# KiCad board PC110.kicad_pcb (continued)
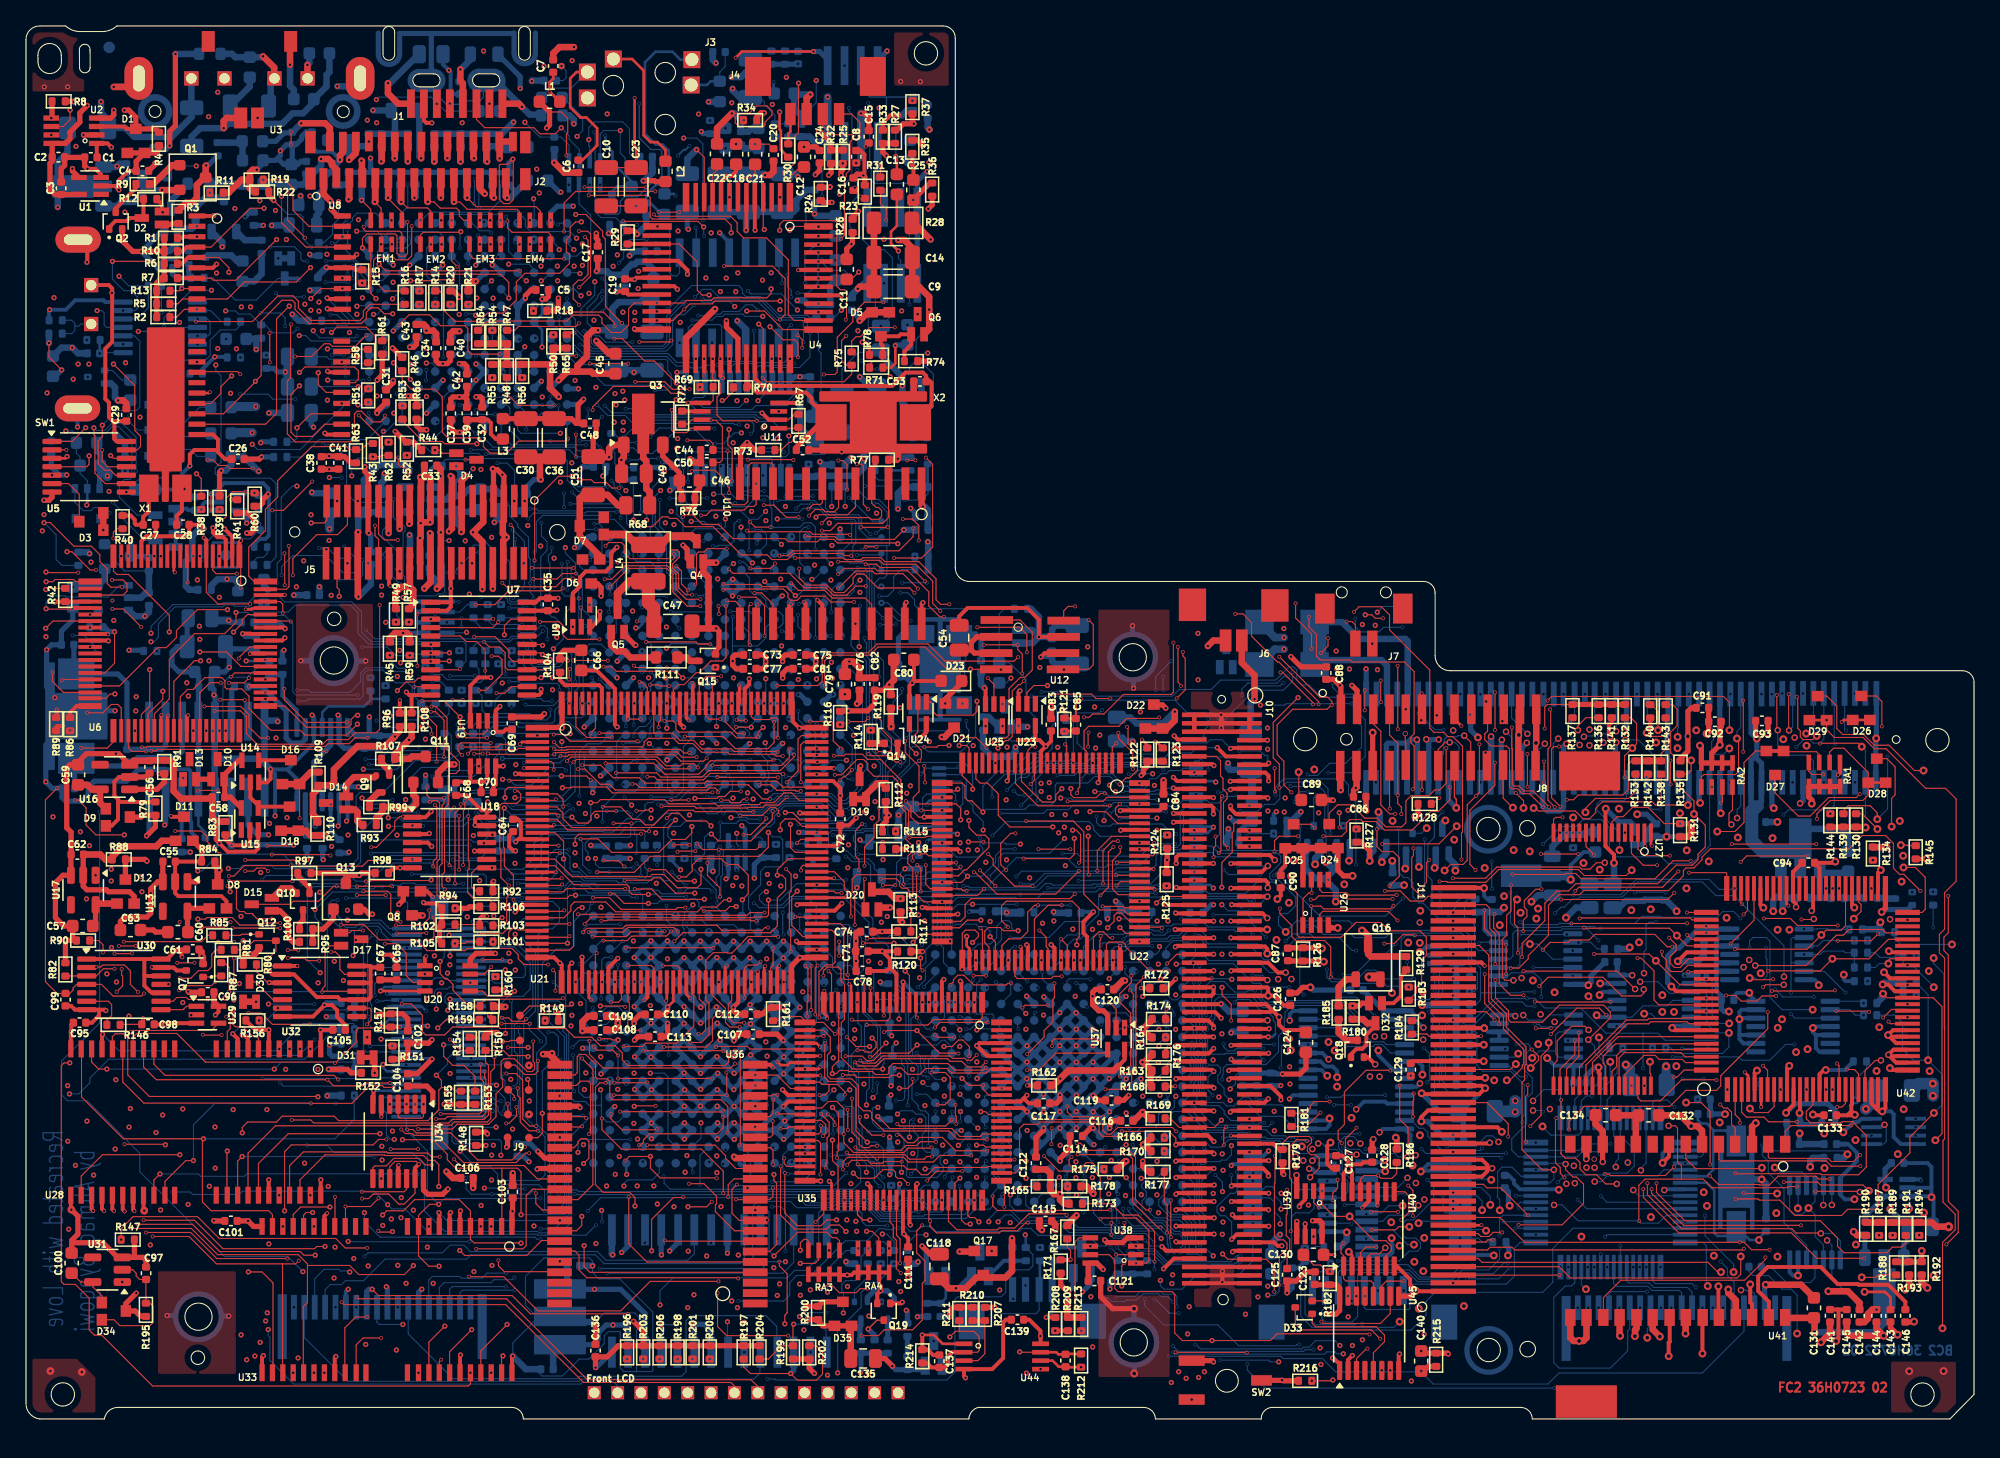
[diagram p0: board, top side]
## Nets (continued)
/PCMCIA/BCD7: J10.82 U74.H14
/PCMCIA/BCD8: J10.131 U74.B10
/PCMCIA/BCD9: J10.133 U74.A9
/PCMCIA/BCD10: J10.135 U74.D9
/PCMCIA/BCD11: J10.77 U74.K14
/PCMCIA/BCD12: J10.79 U74.J15
/PCMCIA/BCD13: J10.81 U74.H16
/PCMCIA/BCD14: J10.83 U74.H15
/PCMCIA/BCD15: J10.85 U74.G14
/PCMCIA/BCE1#: J10.84 U74.G16
/PCMCIA/BCE2#: J10.87 U74.F16
/PCMCIA/BCIORD#: J10.91 U74.E16
/PCMCIA/BCIOWR#: J10.93 U74.G13
/PCMCIA/BINPACK#: J10.123 R172.1 U74.B12
/PCMCIA/BOE#: J10.88 U74.F14
/PCMCIA/BRDY: J10.102 R166.2 U74.B16
/PCMCIA/BREG#: J10.125 U74.L15
/PCMCIA/BRESET: J10.119 U74.A13
/PCMCIA/BVPP: C273.1 J10.106 J10.107 U70.23
/PCMCIA/BWAIT: J10.121 R169.2 U74.C12
/PCMCIA/BWE#: J10.100 U74.F12
/PCMCIA/BWP: J10.136 R178.1 U74.C9
/Power/M38_COM0: U6.77 U43.14
/Power/M38_COM1: U6.76 U43.13
/Power/M38_COM2: U6.75 U43.12
/Power/M38_COM3: U6.74 U43.11
/Power/M38_P10_R413: Q42.3 R411.2 R413.1
/Power/M38_P11_R167: Q39.3 R167.1 R171.2
/Power/M38_P12_R407: Q41.3 R407.2 R408.2
/Power/M38_P13_R390: Q40.3 R385.1 R390.1
/Power/M38_SEG0: U6.70 U43.1
/Power/M38_SEG1: U6.69 U43.2
/Power/M38_SEG2: U6.68 U43.3
/Power/M38_SEG3: U6.67 U43.4
/Power/M38_SEG4: U6.66 U43.5
/Power/M38_SEG5: U6.65 U43.6
/Power/M38_SEG6: U6.64 U43.7
/Power/M38_SEG7: U6.63 U43.8
/Power/M38_SEG8: U6.62 U43.9
/Power/M38_SEG9: U6.61 U43.10
/Power/Touch_X+: J18.2 R207.2 R386.1
/Power/Touch_X-: J18.3 Q41.2
/Power/Touch_Y+: J18.1 R208.2 R388.1
/Power/Touch_Y-: J18.4 Q42.2
/Power/U32_R: Q12.3 R81.2 U32.1 U32.13
/Power/U54_Q: D11.2 J5.25 R235.2 U54.5
/VGA Controller/LCD_24: C174.1 EM4.1 J2.24
/VGA Controller/LCD_B0: C173.1 EM1.4 J2.8
/VGA Controller/LCD_B1: C183.1 EM1.3 J2.9
/VGA Controller/LCD_B2: C194.1 EM1.2 J2.10
/VGA Controller/LCD_B3: C181.1 EM1.1 J2.11
/VGA Controller/LCD_B4: C180.1 EM3.4 J2.17
/VGA Controller/LCD_G0: C182.1 EM3.3 J2.18
/VGA Controller/LCD_G1: C187.1 EM3.2 J2.19
/VGA Controller/LCD_G2: C186.1 EM3.1 J2.20
/VGA Controller/LCD_G3: C191.1 EM2.4 J2.12
/VGA Controller/LCD_G4: C184.1 EM2.3 J2.13
/VGA Controller/LCD_R0: C185.1 EM2.2 J2.14
/VGA Controller/LCD_R1: C169.1 EM2.1 J2.15
/VGA Controller/LCD_R2: C196.1 EM4.4 J2.21
/VGA Controller/LCD_R3: C175.1 EM4.3 J2.22
/VGA Controller/LCD_R4: C178.1 EM4.2 J2.23
AEN: U21.114 U22.44 U35.6 U61.G16 U69.6 U74.K1
BIOS_SA17: U35.54 U59.40
Bowman1: U21.45 U61.N9
Bowman2: U21.140 U61.P9
Bowman3: R149.2 U61.R9
Bowman4: U21.52 U61.T9
Bowman5: R57.1 U7.3 U21.130 U61.T13
Bowman5_Buff: U7.22 U60.1
Bowman_Audio_Vol_Dn: U21.128 U48.7
Bowman_Audio_Vol_Up: U21.127 U48.2
Bowman_CLK: R340.2 U21.40
Bowman_ESS_DACK1#: R372.2 U21.122 U72.10
CF_CD1_Pluto: J11.2 R173.2 U35.27
CF_CD2_Pluto: J11.49 R161.1 U35.26
Chipset_2XCPU_CLK: R359.2 U61.R2
Chipset_32KHz: U21.51 U51.J2 U61.T10
Chipset_BIOS_CE#: U59.22 U61.G15
Chipset_CLK: R341.1 U61.R15
Chipset_CPU_CLK: R251.1 R252.1 R255.1 R257.2 U61.K1
Chipset_CPU_CLK_Sense: R253.2 U61.J1
Chipset_FDC_TC: U22.33 U61.G13
Chipset_SA16: U59.1 U61.B16 U74.J1
Chipset_Sound: R74.2 U61.T15
CMOS_BATT_Sense: J4.4 R41.2 U6.6
CPU_A2: U21.10 U51.L6 U61.N7 U76.A3
CPU_A3: U21.11 U51.M6 U61.T7 U76.D2
CPU_A4: U21.12 U51.J6 U61.R7 U76.D1
CPU_A5: U21.13 U51.N6 U61.P7 U76.E2
CPU_A6: U21.14 U51.M7 U61.N6 U76.F2
CPU_A7: U21.15 U51.N7 U61.T6 U76.F1
CPU_A8: U21.16 U51.J7 U61.R6 U76.G2
CPU_A9: U21.17 U51.N8 U61.P6 U76.G1
CPU_A10: U21.19 U51.M8 U61.M6 U76.H2
CPU_A11: U21.20 U51.J8 U61.T5 U76.H1
CPU_A12: U21.21 U51.L8 U61.R5 U76.J1
CPU_A13: U21.22 U51.N9 U61.P5 U76.K2
CPU_A14: U21.23 U51.M9 U61.T4 U76.K1
CPU_A15: U21.24 U51.K8 U61.R4 U76.L2
CPU_A16: U21.25 U51.N10 U61.N5 U76.L1
CPU_A17: U21.26 U51.L9 U61.P4 U76.M2
CPU_A18: U21.27 U51.M10 U61.T3 U76.N1
CPU_A19: U21.29 U51.N13 U61.R3 U76.P2
CPU_A20: U21.30 U51.M12 U61.P3 U76.P1
CPU_A20M#: J9.7 U61.H3 U76.B13
CPU_A21: U21.31 U51.K11 U61.T2 U76.T3
CPU_A22: U21.32 U51.M13 U61.R1 U76.R3
CPU_A23: U21.33 U51.L12 U61.N4 U76.P3
CPU_A24: U21.34 U61.P2 U76.T4
CPU_A25: U21.35 U61.P1 U76.R4
CPU_A31: J12.6 U61.N3 U76.R6
CPU_ADS#: U21.49 U51.K12 U61.N2 U76.B3
CPU_AHOLD: J12.5 U61.L5 U76.A8
CPU_BE0#: J9.6 U51.M5 U61.L1 U76.B10
CPU_BE1#: J9.3 U51.L13 U61.L4 U76.C10
CPU_BE2#: J9.8 U51.N5 U61.K3 U76.A11
CPU_BE3#: J9.5 U51.J9 U61.K2 U76.B11
CPU_BLAST#: J12.1 U61.N1 U76.C3
CPU_BRDY#: J9.2 U61.M3 U76.B5
CPU_BS16#: U51.C11 U76.A6
CPU_D0: J15.1 U28.2 U51.D13 U61.E2 U76.R7
CPU_D1: J15.2 U28.3 U51.F10 U61.E5 U76.P7
CPU_D2: J15.3 U28.4 U51.E13 U61.E3 U76.T8
CPU_D3: J15.4 U28.5 U51.F11 U61.D1 U76.R8
CPU_D4: J15.6 U28.7 U51.F9 U61.D2 U76.P8
CPU_D5: J15.7 U28.8 U51.F12 U61.E4 U76.T9
CPU_D6: J15.8 U28.9 U51.F13 U61.D3 U76.R9
CPU_D7: J15.9 U28.10 U51.G9 U61.C1 U76.P9
CPU_D8: J15.51 U28.35 U51.G13 U61.C2 U76.R10
CPU_D9: J15.52 U28.36 U51.G12 U61.C3 U76.P10
CPU_D10: J15.53 U28.37 U51.H13 U61.B1 U76.R11
CPU_D11: J15.54 U28.38 U51.H9 U61.A2 U76.P11
CPU_D12: J15.56 U28.40 U51.H12 U61.D4 U76.T12
CPU_D13: J15.57 U28.41 U51.H11 U61.B3 U76.R12
CPU_D14: J15.58 U28.42 U51.J13 U61.A3 U76.P12
CPU_D15: J15.59 U28.43 U51.J12 U61.C4 U76.T13
CPU_D16: J15.22 U33.2 U51.B2 U61.D5 U76.P13
CPU_D17: J15.23 U33.3 U51.B1 U61.B4 U76.R16
CPU_D18: J15.24 U33.4 U51.C2 U61.A4 U76.P16
CPU_D19: J15.25 U33.5 U51.E5 U61.C5 U76.P15
CPU_D20: J15.27 U33.7 U51.C1 U61.F6 U76.N16
CPU_D21: J15.28 U33.8 U51.D2 U61.B5 U76.N15
CPU_D22: J15.29 U33.9 U51.E3 U61.A5 U76.M16
CPU_D23: J15.30 U33.10 U51.D1 U61.E6 U76.M15
CPU_D24: J15.32 U33.35 U51.F4 U61.C6 U76.L15
CPU_D25: J15.33 U33.36 U51.E2 U61.B6 U76.K16
CPU_D26: J15.34 U33.37 U51.E1 U61.A6 U76.K15
CPU_D27: J15.35 U33.38 U51.F3 U61.D6 U76.J16
CPU_D28: J15.37 U33.40 U51.F2 U61.C7 U76.J15
CPU_D29: J15.38 U33.41 U51.F5 U61.B7 U76.H16
CPU_D30: J15.39 U33.42 U51.F1 U61.A7 U76.H15
CPU_D31: J15.40 U33.43 U51.G4 U61.D7 U76.G16
CPU_DC#: U21.41 U61.H1 U76.A12
CPU_EADS#: J12.4 U61.H2 U76.A13
CPU_FLUSH#: J12.2 U61.G1 U76.C16
CPU_HLDA: J9.4 U61.L3 U76.B9
CPU_HOLD: J9.1 U61.M1 U76.C7
CPU_INTR: U21.133 U61.G2 U76.D15
CPU_KEN#: J12.3 U61.M2 U76.B7
CPU_LDEV#: U21.43 U51.D11 U61.M4
CPU_MIO#: U21.50 U51.J11 U61.H4 U76.C11
CPU_NMI: J9.10 U61.G3 U76.D16
CPU_RDY#: U21.134 U51.C12 U51.C13 U61.L6 U76.A7
CPU_RESET: U21.46 U61.G4 U76.C13
CPU_SMI#: U61.F2 U76.F15
CPU_SMIACT#: U9.1 U61.F1 U76.E16
CPU_SRESET: J9.9 U61.F4 U76.E15
CPU_STPCLK#: U35.62 U61.E1 U76.G15
CPU_WR#: U21.42 U51.D12 U61.L2 U76.C9
D4_3: D4.3 J5.35
D11_2: C62.2 D11.3 D12.1 R88.1 U17.2
D18_2_3: D37.1 D37.2 J5.21 R397.2
D28_1: C221.2 D50.1 J5.12 Q36.2 U70.7 U70.24
D46_1: D46.1 J5.39
Dock_PWR_IN-: J5.5 J5.36 J5.37 J13.53 J13.54 J13.55 J13.56 J13.57
EN_LCD_VAA: R397.1 U35.83
EN_RS232: J13.79 U35.77
Enable_IRDA_Buf: Q24.1 R242.2 U7.15 U26.1 U26.7 U57.4 U57.10
ESS_AEN: U4.40 U72.16
ESS_CLK: R70.1 R344.2
ESS_DACK1#: U4.36 U72.15
ESS_DRDY: U4.21 U66.6
ESS_IRQ1: R29.1 U4.16 U73.13
ESS_IRQ1_Buf: U21.118 U73.7
ESS_IRQ2: U4.18 U73.15
ESS_IRQ2_Buf: U21.87 U73.5
ESS_Sound: C18.1 U4.9
F65_ENAVEE: D37.3 J5.26 R237.1 U51.E9
FCS_BVD1: J11.42 U42.50
FCS_BVD2: J11.40 U42.49
FCS_IOCHRDY: J11.34 R323.2 U22.98 U42.47 U61.H14 U74.K3
FCS_RESET: J11.32 R184.1 U42.36 U58.4 U72.11
FDC_ACK#: J13.71 R136.1 U22.60
FDC_AUTOFD#: J13.73 R141.1 U22.74
FDC_BUSY: J13.22 R143.2 U22.59
FDC_CLK: R332.2 U22.18
FDC_CTS1#: J8.8 R191.1 U22.80
FDC_CTS2#: J13.82 R303.2 U22.90
FDC_DACK#: R118.1 U21.120 U22.34
FDC_DCD1#: J8.4 R187.1 U22.83
FDC_DCD2#: J13.17 R309.2 U22.85
FDC_DIR#: J13.7 U22.5
FDC_DRATE0: R302.2 U22.17 U57.2
FDC_DRATE1: R306.2 U22.16 U57.12
FDC_DS3: U21.123 U22.95 U69.1
FDC_DSKCHG#: J13.12 R122.2 U22.15
FDC_DSR1: J8.7 R189.1 U22.78
FDC_DSR2#: J13.84 R305.2 U22.88
FDC_DTR1#: R192.1 U22.81 U64.9
FDC_DTR2#: J13.20 U22.91
FDC_ERROR#: J13.77 R142.1 U22.73
FDC_FDRQ: U21.115 U22.50
FDC_FINTR: U21.82 U22.38
FDC_HDCS0#: R366.2 U22.23 U68.1
FDC_HDCS1#: R367.2 U22.24 U68.2
FDC_HDSEL#: J13.11 U22.9
FDC_IDE7: J11.11 R369.2 U22.20 U42.13
FDC_INIT#: J13.72 R133.1 U22.72
FDC_IOW: U23.2 U35.58
FDC_IRRX_RXD2: R315.1 U22.86 U26.3 U57.8
FDC_IRTX_TXD2: R183.2 U22.87 U26.2 U57.5
FDC_MTR2#: R310.1 U21.121 U22.94
FDC_MTR3#: U21.117 U22.97
FDC_PD0: J13.30 U22.69
FDC_PD1: J13.29 U22.68
FDC_PD2: J13.28 U22.67
FDC_PD3: J13.27 U22.66
FDC_PD4: J13.26 U22.64
FDC_PD5: J13.25 U22.63
FDC_PD6: J13.76 U22.62
FDC_PD7: J13.24 U22.61
FDC_PE: J13.78 R138.1 U22.58
FDC_RDATA#: J13.91 R307.2 U22.14
FDC_RI1#: J8.5 R190.1 U22.82
FDC_RI2#: J13.81 R311.1 U22.84
FDC_RTS1#: R193.1 U22.79 U64.5
FDC_RTS2#: J13.83 U22.89
FDC_RXD1: J8.10 R194.1 U22.76
FDC_SLCT: J13.23 R140.2 U22.57
FDC_SLCTIN#: J13.74 R132.1 U22.71
FDC_STEP#: J13.94 U22.6
FDC_STROBE#: J13.31 R137.1 U22.75
FDC_TRK0#: J13.9 R124.2 U22.11
FDC_TXD1: R188.1 U22.77 U64.2
FDC_TXD2_EN: R8.1 U2.5 U57.6
FDC_UART1_EN: D32.1 R180.2 U35.76 U64.1 U64.4 U64.10
FDC_WDATA#: J13.8 U22.7
FDC_WGATE#: J13.93 U22.8
FDC_WRTPRT#: J13.10 R125.1 U22.12
FDD_Bowman: J13.90 R144.2 U21.125
FDD_DRSEL: J13.5 U22.2
FDD_INDEX#: J13.4 R123.2 U22.10
FDD_MOTEN: J13.6 U22.100
FDD_Pluto1: D28.2 J13.98
FDD_Pluto2: D26.2 J13.97
FDD_Pluto3: D29.2 J13.95
FDD_Pluto4: D27.2 J13.92
IOCS16#: J11.47 R319.2 U22.25 U42.52 U61.J16 U74.B1
IOR#: R295.2 R296.1 R326.2 R364.1 U21.112 U22.42 U35.86 U56.1 U66.3 U66.5 U67.5 U72.7 U74.J3
IOW#: R298.2 R299.2 R318.1 U21.113 U25.2 U35.89 U56.4 U67.4 U72.8 U74.J2
IRQ3: R115.2 U21.85 U22.35 U74.E1
IRQ4: R384.2 U21.84 U22.36 U74.F4
IRQ5: R387.2 U21.83 U22.92 U74.F2
IRQ7: R389.2 U21.81 U22.37 U74.G1
IRQ9: R325.2 U21.79 U74.N1
IRQ10: R394.2 U21.78 U74.D5
IRQ11: R396.2 U21.77 U74.B2
IRQ14: J11.24 R365.1 U21.75 U42.46 U74.B4
IRQ15: R391.2 U21.74 U74.C4
KB_CAPLED#: U67.27 U72.4
KB_CNTR#: U35.61 U67.59
KB_INIT1: EM5.5 J13.14 RA2.5 U67.17
KB_INIT2: EM5.6 J13.15 RA2.6 U67.16
KB_INIT3: EM5.8 J13.86 RA2.8 U67.13
KB_INIT4: EM5.7 J13.87 RA2.7 U67.12
KB_IRQ1: U21.86 U67.15
KB_IRQ12: U21.76 U67.14
KB_KBCSMI: U67.32 U73.12
KB_NUMLED#: U67.26 U72.3
KB_PADLED#: U67.28 U72.5
KB_RESET#: C267.2 D16.1 D16.3 R109.2 U21.48 U35.66 U40.4 U40.10 U45.3 U61.N11 U67.19
KB_RXD: U67.11 U73.9
KB_SCLK#: R45.1 U7.8 U67.9
KB_SCLK_shift: Q8.3 U7.17
KB_SCRLED#: U21.53 U67.25
KB_Sound: R78.1 U67.58
KB_SPKDN: U35.43 U61.T12 U67.30 U73.16
KB_SPKUP: Q27.3 R268.1 U35.44 U67.29
KB_SPKUP_DN: J13.63 R262.1
KB_SRDY#: R59.1 U7.7 U67.8
KB_SRDY#_shift: R294.1 U7.18
KB_TP139: U67.31 U73.14
KB_TXD: U67.10 U72.6
KBCCS#: U35.60 U67.6
LA17: U61.D13 U74.A4
LA18: U61.C15 U74.C5
LA19: U61.C16 U74.A3
LA20: U61.D14 U74.E6
LA21: U61.E13 U74.A2
LA22: U61.D15 U74.A1
LA23: U61.D16 U74.E5
LCD_NC_L11: L16.2 R229.1 U35.5
LCD_STNDBY#: R393.2 U35.93 U51.K13
LCD_VAA: C179.1 C190.1 J2.3 L15.1
M38_21: U6.55 U72.21
M38_P14: U6.42 U73.17
M38_P14_Buf: U21.107 U73.3
M38_P15: U6.41 U73.2
M38_P15_Buf: U21.106 U73.18
M38_P16_R86: J13.62 R86.1
M38_P20: J5.19 U6.38
M38_P21: J5.22 U6.37
M38_P22_R88: R89.1 U73.8
M38_P27_KB_SPKDN: U6.31 U73.4
M38_P34: J13.38 R356.1 U6.58
M38_P35: U6.57 U72.20
M38_P36: U6.56 U72.22
M38_P41: U6.23 U21.111
M38_P43: U6.21 U21.110
M38_P44: U6.20 U72.19
M38_P46: J13.39 R288.2 U6.18
M38_P52: J5.18 U6.14
M38_P53: J5.23 U6.13
M38_P60: J5.1 U6.8
M38_P61: J5.2 U6.7
M38_P63: J5.40 U6.5
M38_P64: J5.34 U6.4
M38_P65: C137.2 R214.2 U6.3 U44.1
M38_P66: C138.2 R212.2 U6.2 U44.7
M38_P67: J13.61 R60.2 U6.1
M38_P71: D4.2 R44.2 U5.3 U6.26
M38_RESET: C99.2 R81.1 R282.2 U6.25 U30.4 U53.1
M38_VREF: C216.1 C223.2 J5.31 R41.1 U6.72
MEMCS16#: R316.2 U21.119 U61.J13 U74.D3
MEMR#: R322.1 U36.16 U59.24 U74.B5
MEMW#: R324.1 U24.1 U74.D6
MIC_in_pin: C6.2 J3.4 L13.2
MIC_J17: J4.1 R30.2
MN192_VSEN#: C226.2 J8.16 R277.2 U5.11
MN195_U1RD#: J8.3 R128.2 U5.13
Modem_Audio_Out: C89.1 R32.1
Modem_VSDA#: J8.17 R127.1 U35.75
OKI_CE#: U21.142 U36.14
OKI_SA12: U21.9 U36.40
OKI_SA13: U21.7 U36.39
OKI_SA14: U21.6 U36.38
OKI_SA15: U21.5 U36.37
OKI_SA16: U21.4 U36.36
OKI_SA17: U21.3 U36.5
OKI_SA18: U21.2 U36.4
OKI_SA19: U21.143 U36.45
PCMCIA_BALE: U61.K15 U74.D1
PCMCIA_CLK: R317.2 U61.H16
PCMCIA_CS: R160.2 U38.6 U61.R14
PCMCIA_REFRESH: U61.E14 U74.H1
PCMCIA_SBHE#: U61.F12 U74.C3
PCMCIA_Sound: C207.2 R120.2 U74.N3
PCMCIA_ZEROWS#: U61.H15 U74.L3
Pluto_50: R276.1 U35.50
Pluto_51: U21.129 U35.51
Pluto_52: R85.1 U35.52
Pluto_72: D30.1 D30.2 R156.2 U35.72
Pluto_73: D31.1 D31.2 R152.2 U35.73
Pluto_BIOS_WR_EN: D19.3 U35.53
Pluto_CLK: R348.1 U35.65
Pluto_Dock_IO1: J13.2 R139.2 U35.28
Pluto_Dock_IO2: J13.99 R130.2 U35.29
Pluto_EN_IRDA: U7.10 U35.48
Pluto_ESS_AEN: U35.79 U69.2
Pluto_IRDA_OUT: U2.6 U35.81
Pluto_Switched_PNET5: C86.1 J8.12 J8.15 Q16.3 R129.2 R187.2 R189.2 R190.2 R191.2 R194.2
PNET1: C5.1 C17.1 C26.1 C31.2 C32.1 C34.1 C37.1 C38.1 C39.1 C40.1 C41.1 C42.2 C43.1 C64.2 C65.2 C69.1 C71.2 C72.1 C73.2 C74.2 C75.1 C77.2 C78.2 C83.1 C95.1 C101.2 C102.2 C103.1 C104.2 C105.1 C106.2 C107.2 C108.2 C109.2 C110.2 C111.1 C112.2 C113.2 C114.2 C115.2 C117.2 C121.1 C122.1 C123.1 C127.2 C128.1 C140.2 C156.2 C172.2 C208.2 C211.2 C212.1 C215.1 C219.1 C242.2 C247.1 C252.1 C253.1 C254.2 C255.2 C256.2 C274.1 C275.1 C280.2 D8.2 D44.1 D52.2 D53.2 D54.2 D56.2 D57.2 J5.8 J5.33 J15.5 J15.14 J15.21 L3.1 L6.2 Q13.2 Q31.2 R45.2 R59.2 R84.2 R94.1 R96.1 R102.1 R105.1 R109.1 R110.2 R117.1 R118.2 R120.1 R127.2 R148.2 R152.1 R156.1 R157.2 R158.2 R161.2 R162.2 R165.2 R173.1 R177.1 R182.1 R215.2 R216.1 R228.1 R229.2 R246.1 R249.1 R258.1 R287.2 R292.1 R310.2 R312.1 R349.2 R372.1 R393.1 R400.2 R401.2 R403.2 RA5.5 RA5.6 RA5.7 RA5.8 SW2.1 U7.1 U7.2 U8.1 U8.6 U8.20 U9.5 U19.1 U21.1 U21.18 U21.36 U21.37 U21.54 U21.72 U21.73 U21.90 U21.108 U21.109 U21.126 U21.144 U22.13 U22.70 U23.5 U25.5 U28.1 U28.6 U28.22 U33.1 U33.6 U33.22 U35.7 U35.14 U35.38 U35.64 U35.88 U35.95 U35.97 U37.5 U38.8 U39.5 U39.8 U40.2 U40.13 U40.14 U45.2 U45.6 U45.16 U49.1 U51.B11 U51.C7 U51.D8 U51.E4 U51.E12 U51.G10 U51.K6 U51.K7 U51.M1 U52.5 U61.A12 U61.B2 U61.B9 U61.B15 U61.J4 U61.K4 U61.M5 U62.14 U64.13 U64.14 U66.14 U67.57 U69.8 U70.15 U70.16 U70.17 U72.1 U72.2 U73.20 U74.D8 U74.K4 U74.N8 U76.D3 U76.D4 U76.D5 U76.D6 U76.D7 U76.D8 U76.D9 U76.D10 U76.D11 U76.D12 U76.D13 U76.D14 U76.E3 U76.E4 U76.E5 U76.E6 U76.E7 U76.E8 U76.E9 U76.E10 U76.E11 U76.E12 U76.E13 U76.E14 U76.F3 U76.F14 U76.G3 U76.G14 U76.H3 U76.H14 U76.J3 U76.J14 U76.K3 U76.K14 U76.L3 U76.L14 U76.M3 U76.M4 U76.M5 U76.M6 U76.M7 U76.M8 U76.M9 U76.M10 U76.M11 U76.M12 U76.M13 U76.M14 U76.N3 U76.N4 U76.N5 U76.N6 U76.N7 U76.N8 U76.N9 U76.N10 U76.N11 U76.N12 U76.N13 U76.N14
PNET2: C2.1 C3.1 C68.1 C203.2 C204.2 C205.1 C235.1 C237.1 D34.2 J13.21 J13.80 Q11.3 R28.2 R107.2 R108.1 R183.1 R195.1 R243.1 R244.1 R245.1 R256.2 R354.2 U1.5 U2.8 U10.1 U12.6 U18.1 U18.4 U18.10 U18.13 U18.14 U21.99
PNET3: C136.1 D35.2 Q8.2 R196.2 R197.2 R198.2 R200.2 R201.2 R203.2 R204.2 R205.2 R206.2 U75.1 U75.28
PNET4: D6.2 D39.1 D55.1 J5.3 J5.4 J5.38
PNET5: C19.2 C33.1 C35.2 C84.1 C90.2 C91.1 C120.1 C243.1 C244.2 C265.2 C276.1 D12.2 D24.1 D24.3 D25.1 D25.3 D48.1 F2.2 J5.10 J5.11 J5.30 J13.40 Q1.2 Q8.1 Q11.2 Q16.2 Q17.1 Q24.2 Q25.3 Q34.3 R39.2 R47.1 R48.2 R50.1 R54.1 R55.2 R56.2 R64.1 R65.1 R88.2 R122.1 R123.1 R124.1 R125.2 R135.2 R188.2 R192.2 R193.2 R226.2 R302.1 R303.1 R305.1 R306.1 R307.1 R309.1 R311.2 R315.2 R363.2 U4.20 U4.27 U7.24 U20.8 U22.96 U26.8 U34.14 U57.14 U60.5 U70.1 U70.2 U70.25 U70.30 U71.14 U72.24
PNET6: C9.1 C14.1 C149.2 C151.1 R27.2 R28.1 R36.1 R37.1 R222.1 U47.8 U48.8
PNET7: C76.1 C81.1 C249.2 C282.1 Q13.3 R97.2 R98.1 R112.1 R115.1 R130.1 R139.1 R144.1 R300.1 R304.2 R313.1 R316.1 R319.1 R323.1 R325.1 R365.2 R373.2 R374.2 R375.2 R376.2 R377.2 R378.2 R380.2 R381.2 R384.1 R387.1 R389.1 R391.1 R394.1 R396.1 RA1.5 RA1.6 RA1.7 RA1.8 U24.5 U36.25 U36.35 U58.5 U59.30 U59.31 U61.F14 U61.M14
PNET8: C118.1 C139.2 Q17.2 Q39.1 Q40.1 R171.1 R385.2 U44.8
PNET9: C116.1 C278.2 C279.1 J10.104 J10.105 R166.1 R169.1 R170.1 R172.2 R175.2 R178.2 R379.2 U70.20 U74.E10 U74.H13
PNET10: C87.1 C119.1 C126.1 J10.34 J10.35 R126.1 R163.1 R164.1 R168.1 R174.1 R176.1 R179.1 U70.10 U74.N7 U74.N12
PNET12: C94.1 C133.1 C236.1 C241.2 C262.2 C263.2 C271.1 F4.1 Q37.3 R134.2 R292.2 R300.2 R360.2 R361.2 R369.1 U27.8 U42.5 U42.15 U42.38 U42.56 U42.65 U42.88 U56.14 U65.5 U68.14
PS2_L1_Pluto: L1.1 R228.2 U35.30
PSU_AUX_SW1: J5.28 R42.1 U5.1
PWRGD: D20.2 R314.1 U7.9 U19.6 U21.47 U22.56 U35.67 U38.3 U66.12
PWRGD_shift: C248.1 R87.2 U7.16 U20.1
PWRGD_shift_buff: D14.3 D15.3 R181.2 U6.27 U20.7 U60.2 U71.1 U71.10 U71.13
Q43_2: C222.2 D51.1 J5.13 Q20.2
R73_2: C66.2 J5.15 R104.2
R284_2: C218.1 J5.14 R266.1 R281.2
R412_1: J5.20 R409.1 R410.1 R412.1
RAM_A0: J15.17 R346.1 R400.1 R404.1 U28.18 U33.18
RAM_A1: J15.18 R338.1 R403.1 R406.1 U28.19 U33.19
RAM_A2: J15.19 R342.1 R401.1 R402.1 U28.20 U33.20
RAM_A3: J15.20 R337.1 R405.1 U28.21 U33.21
RAM_A4: J15.41 R155.2 R334.1 U28.24 U33.24
RAM_A5: J15.42 R153.2 R333.1 U28.25 U33.25
RAM_A6: J15.43 R150.1 R343.1 U28.26 U33.26
RAM_A7: J15.44 R352.1 U28.27 U33.27
RAM_A8: J15.45 R347.1 U28.28 U33.28
RAM_A9: J15.46 R329.1 U28.29 U33.29
RAM_A10: J15.16 R151.2 R345.1 U28.17 U33.17
RAM_A11: J15.15 R157.1 R335.1 U28.16 U33.16
RAM_ID0: J15.60 R158.1 U35.31
RAM_ID1: J15.31 R148.1 U35.32
RAMWE#: J15.50 R154.1 U28.14 U33.14
RESET: D18.1 D18.3 R110.1 U22.55 U51.K10 U66.11 U74.T3
RIOUT#: U39.6 U74.C8
RTCBAT: C70.2 C80.1 C82.1 D21.2 R116.2 R119.2 R248.2 U19.8 U61.T11
SA0: J11.39 U7.11 U21.55 U22.26 U35.8 U42.35 U59.21 U61.E15 U74.F5
SA1: J11.37 U4.42 U21.56 U22.27 U35.9 U36.13 U42.34 U59.20 U61.E16 U74.D4
SA2: J11.35 U4.43 U21.57 U22.28 U35.10 U36.12 U42.33 U59.19 U67.7 U74.C2
SA3: U4.45 U21.58 U22.29 U35.11 U36.11 U59.18 U74.E4
SA4: U4.46 U21.59 U22.30 U35.12 U36.10 U59.17 U74.G5
SA5: U4.47 U21.60 U22.31 U35.15 U36.9 U59.16 U74.D2
SA6: U4.48 U21.61 U22.32 U35.16 U36.8 U59.15 U74.E3
SA7: U4.49 U21.62 U22.39 U35.17 U36.7 U59.14 U74.E2
SA8: U4.50 U21.63 U22.40 U35.18 U36.6 U59.8 U74.F1
SA9: U4.51 U21.65 U22.41 U35.19 U36.44 U59.7 U74.G4
SA10: U21.66 U35.20 U36.43 U59.36 U74.F3
SA11: U21.67 U35.21 U36.42 U59.6 U74.G2
SA12: U21.68 U35.22 U36.41 U37.1 U59.5 U74.G3
SA13: U21.69 U37.2 U59.4 U74.H2
SA14: U21.70 U35.24 U59.3 U74.H4
SA15: U21.71 U35.25 U59.2 U74.H3
SD0: J11.41 R375.1 U21.96 U22.46 U35.33 U36.17 U42.22 U49.3 U59.25 U61.L13 U67.3 U74.K2
SD1: J11.43 R374.1 U21.95 U22.47 U35.34 U36.19 U42.21 U49.4 U59.26 U61.L16 U67.2 U74.L1
SD2: J11.45 R376.1 U21.94 U22.48 U35.35 U36.21 U42.19 U49.5 U59.27 U61.L15 U67.1 U74.L2
SD3: J11.3 R373.1 U21.93 U22.49 U35.36 U36.23 U42.18 U49.6 U59.28 U61.L14 U67.64 U74.M1
SD4: J11.5 R378.1 U21.92 U22.51 U35.39 U36.26 U42.17 U49.7 U59.32 U61.L12 U67.63 U74.L4
SD5: J11.7 R377.1 U21.91 U22.52 U35.40 U36.28 U42.16 U49.8 U59.33 U61.M16 U67.62 U74.M2
SD6: J11.9 R381.1 U21.89 U22.53 U35.41 U36.30 U42.14 U49.9 U59.34 U61.M15 U67.61 U74.M3
SD7: R380.1 U21.88 U22.54 U35.42 U36.32 U49.10 U59.35 U61.M12 U67.60 U74.N2
SD8: J11.44 U36.18 U42.9 U61.N16 U74.A5
SD9: J11.46 U36.20 U42.8 U61.N15 U74.B6
SD10: J11.48 U36.22 U42.7 U61.M13 U74.C6
SD11: J11.4 U36.24 U42.6 U61.N14 U74.A6
SD12: J11.6 U36.27 U42.4 U61.P16 U74.B7
SD13: J11.8 U36.29 U42.3 U61.P15 U74.C7
SD14: J11.10 U36.31 U42.2 U61.P14 U74.A7
SD15: J11.12 U36.33 U42.1 U61.R16 U74.B8
U8_1A3_KB_TP139: R283.2 U73.6
U8_2A1_KB_RXD: R38.2 U73.11
U21_97: R330.1 U21.97
U21_98: R355.2 U21.98
U21_101: R328.2 U21.101
U21_102: R339.1 U21.102
U21_103: R336.2 U21.103
U21_104: R351.2 U21.104
U21_105: R331.1 U21.105
U21_131: J5.27 U21.131
U21_139: D60.1 D60.2 R349.1 U21.139
U30_D0: R90.2 U30.2 U35.1
U53_2CLK: R82.1 U30.3 U35.3 U40.11
U54_1PRE#: U29.4 U54.4
U61_RAM_LCASL#: R272.1 U61.D8
U61_RAM_LCASU#: R274.1 U61.A9
U61_RAM_RAMWE#: R154.2 U61.B8
U61_RAM_RAS0: R101.2 U61.C13
U61_RAM_RAS2: R103.2 U61.B13
U61_RAM_RAS3: R106.2 U61.A13
U61_RAM_UCASL#: R159.2 U61.A8
U61_RAM_UCASU#: R261.1 U61.D9
U61_RTCBAT_470K: Q26.3 R248.1 U61.P10
U71_OR1_IN2: U7.19 U71.2
U106_1CLK: R80.2 U6.11 U32.3
UNKNOWN1: U7.4 U61.R13
UNKNOWN2: U7.5 U61.N12
VGA_ADDHI: U21.124 U51.J10
VGA_Blue: D54.3 J13.65 R264.1 U51.C10
VGA_CLK: R350.1 U51.K9
VGA_Green: D53.3 J13.67 R273.1 U51.A12
VGA_HSync: D56.3 J13.36 R53.1
VGA_Red: D52.3 J13.69 R267.1 U51.D9
VGA_VSync: D57.3 J13.33 R46.1
YellowWire1_2: Q15.1 R181.1
YMF_CLK: R353.2 U18.3
YMF_CS#_Buf: U4.14 U34.2 U64.12 U66.2
YMF_RD#_Buf: U34.5 U71.12 U72.18
YMF_SA0_A0: U4.41 U7.14 U34.12
YMF_VSS_Res: Q14.3 R119.1 U61.P12
YMF_WR#_Buf: U34.9 U71.9 U72.17
Net-(C1--): C1.2 U2.1 U3.1
Net-(C4-+): C4.1 D1.1 D1.3 R4.1 U1.2
Net-(C7-+): C7.1 J1.7 L1.2
Net-(C10-+): C10.1 C23.1 L7.1
Net-(C10--): C10.2 C23.2 C154.2 R227.2 U47.1
Net-(C11-+): C11.1 C50.2 R72.1 U11.7
Net-(C12-+): C12.1 U4.1
Net-(C12--): C12.2 C24.2 U4.2
Net-(C13-+): C13.1 U48.6
Net-(C13--): C13.2 R217.2 R218.2 U47.3
Net-(C15--): C15.2 R25.2 R26.2 R32.2 R34.2 R35.2 U47.6
Net-(C18--): C18.2 R34.1
Net-(C20--): C20.2 C21.2 U4.8
Net-(C21-+): C21.1 U4.7
Net-(C22-+): C22.1 U4.10
Net-(C25-+): C25.1 Q6.3 R36.2
Net-(C30--): C30.2 C36.2 C48.1 L3.2 U51.N12
Net-(C46-+): C46.1 Q3.3 R76.1
Net-(C46--): C46.2 Q4.2 R76.2
Net-(C47-+): C47.1 L4.1 Q5.3
Net-(C49--): C49.2 Q3.2 R68.2
Net-(C60-Pad1): C60.1 C63.2
Net-(C65-+): C65.1 C67.1
Net-(C85-+): C85.1 R24.1 R121.1 U12.4
Net-(C85--): C85.2 J7.2 R121.2 U12.5
Net-(C89--): C89.2 J8.18
Net-(C92--): C92.2 F3.1 J13.16 L12.1 RA2.1 RA2.2 RA2.3 RA2.4
Net-(C129-+): C129.1 C272.1 F4.2 J11.25 J11.26
Net-(C135-+): C135.1 D35.1 D35.3 R200.1 U75.16
Net-(C147-+): C147.1 U48.1
Net-(C147--): C15.1 C147.2 R25.1 U47.7
Net-(C150-+): C150.1 U4.4
Net-(C150--): C150.2 R221.1 R225.1
Net-(C153-Pad1): C153.1 R37.2 R217.1
Net-(C154-+): C154.1 R220.1 R227.1 U47.2
Net-(C160--): C160.2 C166.1 R224.1 U4.11
Net-(C162-+): C162.1 R222.2 R225.2
Net-(C163--): C163.2 EM5.3 J1.6
Net-(C164-Pad2): C164.2 R220.2
Net-(C167--): C167.2 EM5.4 J1.2
Net-(C168--): C168.2 U3.3
Net-(C170-+): C170.1 EM5.1 J1.5
Net-(C171-+): C171.1 J2.6 L16.1
Net-(C176-+): C176.1 C188.1 J2.4 L9.1 R234.2
Net-(C177--): C177.2 J2.27 L18.1
Net-(C189--): C189.2 J2.2 L14.1
Net-(C192-+): C192.1 J2.26 L11.2
Net-(C193-+): C193.1 J2.5 R234.1
Net-(C195--): C195.2 J2.29 L17.2
Net-(C197--): C197.2 U3.5
Net-(C198-+): C198.1 J1.4 L12.2
Net-(C199-+): C199.1 EM5.2 J1.3
Net-(C200--): C200.2 R241.1 U3.8
Net-(C201-+): C201.1 C202.2 R238.1 U3.6
Net-(C206--): C45.1 C206.2 C210.2 L6.1 U51.M11
Net-(C207-+): C207.1 R71.2
Net-(C213-Pad2): C213.2 C214.2 R250.1
Net-(C224--): C224.2 D47.1 R281.1 U55.2
Net-(C225-+): C225.1 D45.3 D46.3 D49.3 Q30.1 R276.2
Net-(C225--): C29.2 C225.2 Q30.2
Net-(C227--): C227.2 D9.2 Q31.3 R79.1 R275.1 R284.1 U63.10 U63.16
Net-(C228-+): C228.1 Q30.3 R282.1 U54.1
Net-(C229--): C229.2 R235.1 U54.13
Net-(C230--): C230.2 C257.2 U63.2 X4.2
Net-(C232--): C232.2 C258.2 C259.2 C260.2 R284.2 U63.4 U63.13
Net-(C233-+): C233.1 Q29.1 U53.5
Net-(C234--): C234.2 Q29.2 R285.1 U53.2
Net-(C238-+): C238.1 Q33.1 R293.1 R297.2
Net-(C238--): C93.1 C238.2 C239.2 J13.13 J13.88 J13.89 Q33.2
Net-(C240-+): C240.1 Q34.1 R294.2
Net-(C240--): C240.2 F3.2 Q34.2
Net-(C245--): C245.2 D22.2 F1.1 Q5.1
Net-(C246-+): C246.1 D20.1 Q36.3 R327.1 U59.11
Net-(C257-+): C257.1 C261.1 U63.3 X4.1
Net-(C264--): C264.2 U67.22 X5.2
Net-(C266-Pad1): C266.1 C269.2
Net-(C266-Pad2): C266.2 R362.2
Net-(C268--): C268.2 U67.23 X5.1
Net-(C270-Pad1): C270.1 U64.11
Net-(C281--): C281.2 U75.26 X6.1
Net-(C283-+): C283.1 U75.27 X6.2
Net-(D1-K): D1.2 R4.2 U2.3
Net-(D2-A): D2.2 R3.1
Net-(D2-common): D2.3 Q2.1 R12.1
Net-(D2-K): D2.1 R12.2 U51.A11
Net-(D3-K): D3.2 U5.6
Net-(D5-K): D5.2 Q6.2 R71.1 R74.1 R78.2
Net-(D7-K): D7.3 L4.2 Q4.3
Net-(D10-A): D10.2 D13.1
Net-(D10-K): C58.2 D10.1 U14.5 U15.5
Net-(D14-Pad2): D14.2 R93.1
Net-(D15-Pad2): D15.2 R95.1
Net-(D16-K): D16.2 U14.4
Net-(D17-Pad2): D17.2 U39.3
Net-(D17-Pad3): D17.3 R254.2
Net-(D18-K): D18.2 U14.2 U15.4
Net-(D19-Pad1): D19.1 D19.2 R112.2 U24.2
Net-(D21-A-Pad3): D21.3 R31.1
Net-(D22-A-Pad1): D22.1 D22.3 R313.2
Net-(D23-K): D21.1 D23.1 R308.1
Net-(D24-K): D24.2 R132.2 R136.2 R137.2 R141.2
Net-(D25-K): D25.2 R133.2 R138.2 R140.1 R142.2 R143.1
Net-(D32-A): D32.2 R129.1
Net-(D32-common): D32.3 Q18.1 R180.1
Net-(D33-Pad3): D33.3 R114.2
Net-(D36-K): D36.1 L14.2 R236.2
Net-(D38-A): D38.2 Q21.3
Net-(D38-K): D38.1 R232.2
Net-(D39-A): D39.2 D55.2 J13.46 J13.48
Net-(D41-K): D41.1 R260.1 R266.2 R271.2 U50.2
Net-(D42-Pad1): D42.1 D42.2 D43.1 D43.2 R287.1 U52.2
Net-(D42-Pad3): D42.3 U5.4
Net-(D43-Pad3): D43.3 U5.2
Net-(D44-A): D44.2 D45.1
Net-(D46-Pad2): D46.2 R286.1
Net-(D48-A): D45.2 D48.2
Net-(D50-A): D49.1 D50.2
Net-(D51-A): D49.2 D51.2
Net-(D58-K): D58.1 R308.2
Net-(J1-GND-Pad1): J1.1 R231.2
Net-(J1-GND-Pad8): J1.8 R230.2
Net-(J2-Pin_1): J2.1 J2.7 J2.16 J2.25 J2.28 J2.30 L10.1
Net-(J3-G): J3.3 L2.2
Net-(J3-MO): C148.2 J3.5 L8.2
Net-(J3-SI): C165.1 J3.2 L7.2
Net-(J3-SO): C159.2 J3.1 L5.1
Net-(J5-Pin_17): J5.17 U54.2 U54.6
Net-(J6-Pin_1): F1.2 J6.1
Net-(J7-Pin_1): J7.1 U12.8
Net-(J8-DRT1#): J8.6 U64.8
Net-(J8-RTS1#): J8.9 U64.6
Net-(J8-TXD1): J8.11 U64.3
Net-(J11-CE1#): J11.13 R361.1 R366.1 U42.37
Net-(J11-CE2#): J11.14 R360.1 R367.1 U42.39
Net-(J11-CSEL#): J11.28 R145.2
Net-(J11-IOR#): J11.18 R295.1 R301.2
Net-(J11-IOW#): J11.20 R290.2 R299.1
Net-(J13-FDD_DRATE0): J13.96 U57.3
Net-(J13-FDD_DRATE1): J13.3 U57.11
Net-(J13-Modem_ADCK#): J8.21 J13.59
Net-(J13-Modem_IRQ1#): J8.20 J13.60
Net-(J13-Modem_RSRVD1): J8.24 J13.42
Net-(J13-Modem_RSRVD2): J8.23 J13.41
Net-(J13-Modem_S11): J8.22 J13.58
Net-(J13-Modem_VPDA#): J8.19 J13.52
Net-(J13-RXD2): J13.18 R135.1 U26.5
Net-(J13-TXD2): J13.19 U26.6
Net-(J15-RAS2): J15.11 R102.2 R103.1
Net-(J15-RAS3): J15.49 R94.2 R106.1
Net-(L5--): C16.1 L5.2 R24.2
Net-(L8-+): L8.1 R30.1
Net-(L9--): L9.2 Q1.3 R3.2 R236.1
Net-(L11-+): L11.1 R14.2
Net-(L13-+): L13.1 R221.2
Net-(L15--): L15.2 Q20.3 R239.1 R240.1
Net-(L17-+): L17.1 R20.2
Net-(L18--): L18.2 R17.2
Net-(Q1-B): Q1.1 R9.2
Net-(Q2-C): Q2.3 R9.1
Net-(Q5-B): Q5.2 R111.1
Net-(Q7-B): Q7.1 R87.1
Net-(Q7-C): C98.1 Q7.3 R146.2 U30.13
Net-(Q9-B): Q9.1 R107.1
Net-(Q9-C): Q9.3 R99.1
Net-(Q9-E): D14.1 Q9.2
Net-(Q10-B): Q10.1 R97.1
Net-(Q10-C): Q10.3 R100.1
Net-(Q10-E): D15.1 Q10.2
Net-(Q11-B): Q11.1 R93.2 R99.2
Net-(Q12-B): Q12.1 R85.2
Net-(Q13-B): Q13.1 R95.2 R100.2
Net-(Q14-B): Q14.1 R114.1
Net-(Q15-C): Q15.3 R111.2
Net-(Q16-B): Q16.1 R185.2
Net-(Q17-B): Q17.3 U6.39
Net-(Q18-C): Q18.3 R185.1
Net-(Q19-B): Q19.1 R399.1
Net-(Q19-C): Q19.3 R410.2
Net-(Q20-B): Q20.1 R232.1
Net-(Q21-B): Q21.1 Q23.1 R237.2
Net-(Q22-B): Q22.2 Q23.3 R240.2
Net-(Q22-C): Q22.3 R239.2
Net-(Q24-C): Q24.3 R238.2
Net-(Q25-B): Q25.1 R242.1
Net-(Q25-C): Q25.2 R241.2
Net-(Q26-B): Q26.1 R254.1
Net-(Q27-B): Q27.1 R262.2
Net-(Q28-B): Q28.1 R260.2 U50.1
Net-(Q31-B): Q31.1 U66.13
Net-(Q32-B): Q32.1 R289.2
Net-(Q32-C): Q32.3 R291.1
Net-(Q33-E): F2.1 Q33.3 R293.2
Net-(Q35-B): Q35.1 R321.2
Net-(Q35-C): Q35.3 R320.1
Net-(Q36-B): Q36.1 R320.2
Net-(Q37-B): Q37.1 R368.1
Net-(Q38-B): C277.2 Q38.1 R382.2
Net-(Q38-C): Q38.3 R216.2 U35.45 U38.1
Net-(Q39-C): Q39.2 R388.2
Net-(Q40-C): Q40.2 R386.2
Net-(Q43-B): Q43.1 R392.1
Net-(Q43-C): Q43.3 R412.2
Net-(Q44-B): Q44.1 R398.1
Net-(Q44-C): Q44.3 R409.2
Net-(R67-Pad1): R67.1 R73.2 U11.1
Net-(R268-Pad2): R268.2 U52.4
Net-(R289-Pad1): R289.1 U20.2
Net-(R291-Pad2): R291.2 R297.1
Net-(R321-Pad1): R321.1 U60.4
Net-(R332-Pad1): R332.1 R340.1 U62.8
Net-(R341-Pad2): R341.2 R348.2 U62.6
Net-(R344-Pad1): R344.1 R353.1 U62.11
Net-(R350-Pad2): R350.2 U62.3
Net-(R357-Pad1): R357.1 U62.2 U62.5 U62.12
Net-(R358-Pad1): R358.1 U62.9
Net-(R368-Pad2): R368.2 U65.4
Net-(R370-Pad2): R370.2 U66.10
Net-(RA1-R1.1): D26.1 D26.3 RA1.1 U35.69
Net-(RA1-R2.1): D28.1 D28.3 RA1.2 U35.68
Net-(RA1-R3.1): D27.1 D27.3 RA1.3 U35.71
Net-(RA1-R4.1): D29.1 D29.3 RA1.4 U35.70
Net-(RA3-R1.1): RA3.1 U76.L16
Net-(RA3-R2.1): RA3.2 U76.R13
Net-(RA3-R3.1): RA3.3 U76.T10
Net-(RA3-R4.1): RA3.4 U76.T7
Net-(RA4-R1.1): RA4.1 U76.P4
Net-(RA4-R2.1): RA4.2 U76.T5
Net-(RA4-R3.1): RA4.3 U76.R5
Net-(RA4-R4.1): RA4.4 U76.P5
Net-(SW1-B): R277.1 R280.1 SW1.2
Net-(SW2-B): R382.1 R383.2 SW2.2
Net-(U1-Pad4): U1.4 U2.2
Net-(U2-Pad7): U2.7 U57.9
Net-(U3-IRDA_TXD): R8.2 U3.7
Net-(U4-CMR): C152.1 C155.2 C161.1 R226.1 U4.6
Net-(U4-IOR): U4.37 U71.11
Net-(U4-IOW): U4.38 U71.8
Net-(U4-REF): R23.1 U4.52
Net-(U4-RESET): U4.39 U20.5
Net-(U4-VCC_Bus): C213.1 U4.44 U49.24
Net-(U4-Xin): C52.1 R70.2 U4.34 X2.1
Net-(U4-Xout): C53.2 U4.35 X2.2
Net-(U6-P02): R336.1 U6.52
Net-(U6-P03): R339.2 U6.51
Net-(U6-P04): R328.1 U6.50
Net-(U6-P05): R354.1 U6.49
Net-(U6-P06): R355.1 U6.48
Net-(U6-P10): R413.2 U6.46
Net-(U6-P11): R167.2 U6.45
Net-(U6-P12): R407.1 U6.44
Net-(U6-P13): R390.2 U6.43
Net-(U6-P16): R86.2 U6.40
Net-(U6-P22): R89.2 U6.36
Net-(U6-P23): R283.1 U6.35
Net-(U6-P40): R42.2 U6.24
Net-(U6-P45): R38.1 U6.19
Net-(U6-P51): R39.1 U6.15
Net-(U6-P57): D60.3 U6.9
Net-(U6-SEG00): R331.2 U6.54
Net-(U6-SEG01): R351.1 U6.53
Net-(U6-SEG07): R330.2 U6.47
Net-(U6-VL1): R43.2 R63.2 U6.80
Net-(U6-VL2): R43.1 R62.1 U6.79
Net-(U6-VL3): R52.1 R62.2 U6.78
Net-(U6-Xin): C28.1 U6.28 X1.1
Net-(U6-Xout): R40.1 U6.29
Net-(U8-LCAS#): R58.2 U8.29
Net-(U8-RAS#): R21.1 U8.14
Net-(U8-UCAS#): R51.2 U8.28
Net-(U8-WE#): R16.1 U8.13
Net-(U10-AO): R77.1 U10.4 U34.11
Net-(U10-CS#): R244.2 U10.7 U34.3
Net-(U10-D0): R64.2 U4.23 U10.10 U49.22
Net-(U10-D1): R54.2 U4.24 U10.11 U49.21
Net-(U10-D2): R47.2 U4.25 U10.13 U49.20
Net-(U10-D3): R50.2 U4.28 U10.14 U49.19
Net-(U10-D4): R65.2 U4.29 U10.15 U49.18
Net-(U10-D5): R55.1 U4.30 U10.16 U49.17
Net-(U10-D6): R48.1 U4.31 U10.17 U49.16
Net-(U10-D7): R56.1 U4.32 U10.18 U49.15
Net-(U10-M): R92.2 U10.24
Net-(U10-MO): U10.21 U46.7
Net-(U10-RD#): R243.2 U10.6 U34.6
Net-(U10-SH): U10.20 U46.4
Net-(U10-SY): U10.23 U46.10
Net-(U10-WR#): R245.2 U10.5 U34.8
Net-(U11A-+): C214.1 R75.1 U11.3
Net-(U11A--): R67.2 U11.2 U46.16
Net-(U11B-+): C44.2 R69.2 U11.5
Net-(U11B--): R72.2 U11.6
Net-(U11C-V+): C157.1 C209.1 R256.1 U11.8 U46.1
Net-(U11C-V-): C157.2 C209.2 R250.2 U11.4 U46.12
Net-(U12-Bypass): C54.1 U12.2 U12.3
Net-(U12-~{SD}): C248.2 D40.3 R247.1 U12.1
Net-(U13-CD): C60.2 D8.3 U13.5
Net-(U13-OUT): R83.1 U13.1 U15.2
Net-(U13-VDD): C55.2 D8.1 D11.1 R84.1 U13.2
Net-(U16-CD): C59.1 D9.3 U16.5
Net-(U16-OUT): R91.1 U16.1 U63.9
Net-(U16-VDD): C56.1 D9.1 R79.2 U16.2
Net-(U17-CD): C57.2 D12.3 U17.5
Net-(U17-OUT): U17.1 U20.3
Net-(U18A-D): U18.2 U18.6 U18.11
Net-(U18B-D): R92.1 U18.8 U18.12
Net-(U20-Pad6): U20.6 U57.1 U57.13 U71.3
Net-(U21-Chipset_IO3): R149.1 U21.39
Net-(U21-CPUCLK): R257.1 U21.38
Net-(U21-PSU_IO2): R104.1 U21.138
Net-(U21-PWRGD_IN): U9.4 U21.141
Net-(U22-IOW#): U22.43 U25.4
Net-(U23-Pad4): U23.4 U25.1
Net-(U27-MA0): U27.20 U42.74
Net-(U27-MA1): U27.19 U42.75
Net-(U27-MA2): U27.18 U42.76
Net-(U27-MA3): U27.17 U42.77
Net-(U27-MA4): U27.16 U42.78
Net-(U27-MA5): U27.15 U42.79
Net-(U27-MA6): U27.14 U42.80
Net-(U27-MA7): U27.13 U42.81
Net-(U27-MA8): U27.3 U42.83
Net-(U27-MA9): U27.2 U42.84
Net-(U27-MA10): U27.31 U42.85
Net-(U27-MA11): U27.1 U42.86
Net-(U27-MA12): U27.12 U42.87
Net-(U27-MA13): U27.4 U42.89
Net-(U27-MA14): U27.5 U42.90
Net-(U27-MA15): U27.11 U42.91
Net-(U27-MD0): U27.21 U42.92
Net-(U27-MD1): U27.22 U42.93
Net-(U27-MD2): U27.23 U42.95
Net-(U27-MD3): U27.25 U42.96
Net-(U27-MD4): U27.26 U42.97
Net-(U27-MD5): U27.27 U42.98
Net-(U27-MD6): U27.28 U42.99
Net-(U27-MD7): U27.29 U42.100
Net-(U27-ROMCEL0#): U27.30 U42.71
Net-(U27-ROMOEL#): U27.32 U42.72
Net-(U27-ROMWEL#): R131.2 R134.1 U27.7 U42.73
Net-(U28-RAS#): R101.1 R105.2 U28.15 U33.15
Net-(U30A-~{Q}): R146.1 U30.6
Net-(U30B-C): U5.12 U30.11
Net-(U30B-Q): D17.1 U30.9 U32.11
Net-(U30B-~{Q}): U29.1 U30.8
Net-(U31-CD): C100.1 D34.3 U31.5
Net-(U31-VDD): C97.1 D34.1 R195.2 U31.2
Net-(U32A-Q): D30.3 U32.5
Net-(U32A-~{Q}): U29.2 U32.6
Net-(U32B-Q): D31.3 U32.9
Net-(U35-FF_2D): R186.1 U35.2 U40.12
Net-(U35-FF_2Q#): U35.90 U40.1 U45.12
Net-(U35-Pluto_55): R398.2 U35.55
Net-(U35-Pluto_56): R392.2 U35.56
Net-(U35-Pluto_57): R399.2 U35.57
Net-(U35-PNET7_SENSE): R304.1 U35.74
Net-(U35-SA13): U35.23 U37.4
Net-(U38-Pad5): U9.2 U38.5
Net-(U40A-C): U38.7 U39.2 U40.3
Net-(U40A-~{Q}): C125.2 U39.1 U40.6
Net-(U40B-~{Q}): U40.8 U45.11
Net-(U41-Cext2): C141.1 U41.20
Net-(U41-Cext3): C143.1 U41.21
Net-(U41-Cext4): C142.1 C144.2 U41.22
Net-(U41-Cext5): C141.2 C145.2 U41.23
Net-(U41-Cext6): C146.1 U41.24
Net-(U41-Cext7): C142.2 U41.25
Net-(U41-Cext8): C143.2 U41.26
Net-(U41-Cext9): C146.2 U41.27
Net-(U41-CS): U41.7 U42.55
Net-(U41-PD): U41.4 U42.57
Net-(U41-SCLK1): U41.5 U42.53
Net-(U41-SI0): U41.1 U42.59
Net-(U41-SI1): U41.2 U42.58
Net-(U41-SO0): U41.13 U42.62
Net-(U41-SO1): U41.17 U42.60
Net-(U42-C_EXT): R362.1 R371.2 U42.12
Net-(U42-IO0): U42.66 U65.1
Net-(U42-IORD): R296.2 R301.1 U42.42 U56.3
Net-(U42-IOWR): R290.1 R298.1 U42.43 U56.6
Net-(U42-RC_IN): R371.1 U42.11
Net-(U44A-+): R207.1 R210.1 U44.3
Net-(U44A--): C137.1 R211.1 R214.1 U44.2
Net-(U44B-+): R208.1 R209.1 U44.5
Net-(U44B--): C138.1 R212.1 R213.1 U44.6
Net-(U45A-A): U35.46 U35.78 U45.1
Net-(U45A-Cext): C130.2 U45.14
Net-(U45A-Q): D33.2 U45.13
Net-(U45A-RCext): C130.1 R182.2 U45.15
Net-(U45B-B): U39.7 U45.10
Net-(U45B-Q): D33.1 U45.5
Net-(U45B-RCext): C140.1 R215.1 U45.7
Net-(U46-RB): R75.2 U46.14
Net-(U46-toBUFF): R69.1 U46.2
Net-(U47B-+): C158.2 R27.1 R33.1 U47.5
Net-(U49-A8): R219.2 U49.11
Net-(U49-B8): R223.1 U49.14